# Altium PCB waffling80-MXHS.PcbDoc (part 2 of 4)
Units mm, origin at the board's own origin, x right, y up, seen from the top; angles counter-clockwise.
Board outline 343.71 x 124.25 mm, 2 copper layers (Component Side, Bottom Layer), stack 1.171 mm thick; 236 components, 142 nets, 2180 pads, 184 vias.
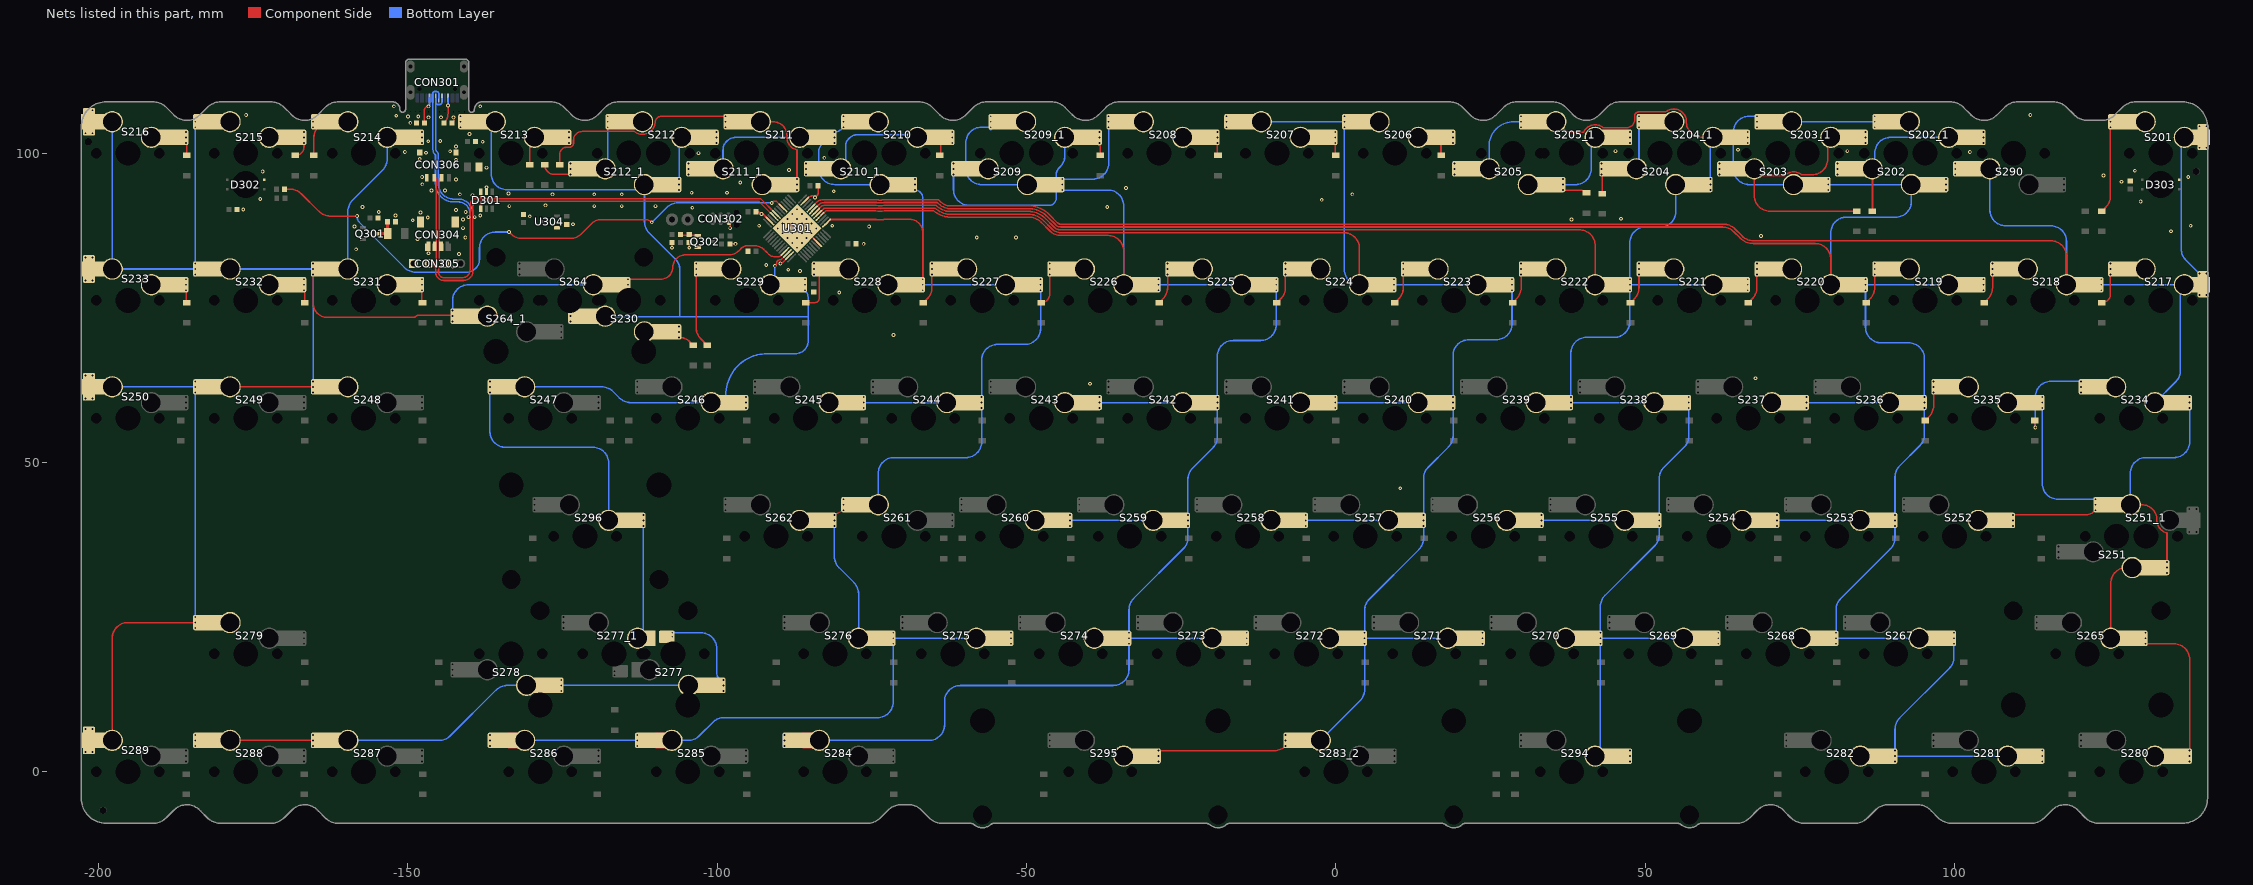
[diagram p2: the nets of this part, all layers, seen from the top]

## Via types
v1: diameter 0.6, hole 0.3, Component Side to Bottom Layer, tented both sides, 158 vias
v2: diameter 0.6, hole 0.3, Component Side to Bottom Layer, tented bottom, 25 vias
v3: diameter 1, hole 0.5, Component Side to Bottom Layer, tented both sides, 1 vias

## Nets (pads, with @x,y where several pads share a name; then routed paths per layer and width w, separated by ;. In a path a pad name is that pad's centre, name@x,y a point inside that pad or via, vN(x,y) a via of type N, cw(c..) or ccw(c..) an arc to the next point about the centre after c; other vN are vias at no path point) (continued)
col1: S201.2 S217.2 S218.1 S234.1 S235.1 S251.2 S251_1.1 S252.1 S265.2 S280.1 S290.1 U301.20 | length 427.8
  Component Side w0.254: U301.20@-84.638,91.349 -83.949,92.038 cw(c-82.879,90.968) -82.879,92.481 -74.182,92.481 ccw(c-73.66,94.932) -73.139,92.481 -64.237,92.481 ccw(c-61.976,94.361) -62.758,91.527 ccw(c-62.516,92.402) -62.756,91.526 ; -62.753,91.526 ccw(c-62.635,91.964) -62.751,91.525 ccw(c-62.516,92.402) -62.518,91.494 ccw(c-62.516,92.402) -62.514,91.494 -49.687,91.494 cw(c-49.687,86.781) -46.305,90.064 -44.977,88.736 cw(c-45.936,87.769) -44.974,88.733 ; -44.972,88.731 ccw(c-44.46,89.243) -44.463,88.519 62.702,88.519 cw(c62.702,85.979) 64.498,87.775 65.677,86.596 ccw(c67.473,88.392) 67.473,85.852 115.57,85.852 cw(c115.57,83.312) 118.11,83.312 S218.1@118.11,78.739 ; S252.1@109.432,41.528 121.004,41.528 ccw(c121.004,44.068) 122.8,42.272 S251_1.1@122.819,42.29 ; S265.2@125.254,21.589 125.254,30.479 cw(c127.794,30.479) 127.794,33.019 S251.2@128.746,33.019 ; S251_1.1@128.429,43.179 130.264,43.179 cw(c130.264,40.715) 132.728,40.715 ccw(c134.779,40.639) 132.738,40.42 ccw(c134.779,40.639) 133.157,39.382 ccw(c134.779,40.639) 133.341,39.175 ccw(c134.779,40.639) 133.642,38.931 ccw(c134.779,40.639) 134.356,38.631 S251.2@134.356,33.908 ; S265.2@130.864,20.7 135.467,20.7 cw(c135.467,18.16) 138.007,18.16 S280.1@138.007,3.428
  Bottom Layer w0.254: S290.1@105.728,97.472 105.728,90.805 ccw(c108.268,90.805) 108.268,88.265 115.57,88.265 cw(c115.57,85.725) 118.11,85.725 S218.1@118.11,78.739 ; S235.1@114.195,58.8 114.195,46.608 ccw(c116.735,46.608) 116.735,44.068 S251_1.1@122.819,44.068 ; S218.1@123.72,78.739 S217.2@137.16,78.739 ccw(c138.692,77.207) 136.525,77.207 136.525,64.869 cw(c133.985,64.869) 135.781,63.073 S234.1@132.397,59.689 ; S251_1.1@128.429,43.179 128.429,48.26 cw(c130.969,48.26) 130.969,50.8 135.467,50.8 ccw(c135.467,53.34) 138.007,53.34 S234.1@138.007,58.8 ; S201.2@137.16,102.552 ccw(c138.386,101.326) 136.652,101.326 136.652,84.533 ccw(c139.192,84.533) 137.396,82.737 S217.2@139.584,80.549
  Bottom Layer w0.6: S290.1@100.118,96.583 S290.1@100.118,97.472 S290.1@100.118,98.361 ; S252.1@109.432,39.75 S252.1@109.432,40.639 S252.1@109.432,41.528 ; S235.1@114.195,58.8 S235.1@114.195,59.689 S235.1@114.195,60.578 ; S251_1.1@122.819,42.29 S251_1.1@122.819,43.179 S251_1.1@122.819,44.068 ; S218.1@123.72,77.85 S218.1@123.72,78.739 S218.1@123.72,79.628 ; S265.2@130.864,20.7 S265.2@130.864,21.589 S265.2@130.864,22.478 ; S251.2@134.356,32.13 S251.2@134.356,33.019 S251.2@134.356,33.908 ; S280.1@138.007,1.65 S280.1@138.007,2.539 S280.1@138.007,3.428 ; S234.1@138.007,58.8 S234.1@138.007,59.689 S234.1@138.007,60.578 ; S217.2@139.584,80.549 S217.2@140.747,80.549 ; S201.2@139.584,104.361 S201.2@140.747,104.361 ; S217.2@139.6,77.057 S217.2@140.762,77.057 ; S201.2@139.6,100.87 S201.2@140.762,100.87
col2: S202.2 S202_1.1 S203.2 S203_1.2 S219.1 S220.1 S236.1 S237.1 S253.1 S254.1 S267.1 S268.1 S281.1 S282.1 U301.19 | length 431.2
  Component Side w0.254: U301.19@-84.285,90.995 -84.272,90.995 -83.843,91.425 -83.822,91.425 -83.579,91.668 cw(c-82.712,90.801) -82.712,92.027 -74.227,92.027 ccw(c-73.66,94.932) -73.094,92.027 -64.44,92.027 ccw(c-61.976,94.361) -62.879,91.089 ccw(c-62.516,92.402) -62.878,91.089 ccw(c-62.516,92.402) -62.874,91.088 ; -62.872,91.088 ccw(c-61.976,94.361) -62.871,91.087 ccw(c-62.753,91.526) -62.869,91.086 ccw(c-62.516,92.402) -62.518,91.04 ccw(c-62.516,92.402) -62.513,91.04 -49.687,91.04 cw(c-49.687,86.781) -46.629,89.745 -45.297,88.414 cw(c-45.936,87.769) -45.295,88.411 ; -45.293,88.41 ccw(c-44.46,89.243) -44.464,88.065 62.514,88.065 cw(c62.514,85.525) 64.31,87.321 65.355,86.276 ccw(c67.473,88.392) 65.357,86.274 ccw(c67.473,88.392) 67.473,85.398 77.47,85.398 cw(c77.47,82.858) 80.01,82.858 S220.1@80.01,78.739
  Bottom Layer w0.254: S203_1.2@68.051,105.981 66.802,105.981 ccw(c66.802,103.441) 64.262,103.441 64.262,97.472 ccw(c66.802,97.472) 66.802,94.932 S203.2@73.978,94.932 ; S254.1@71.332,40.639 S253.1@84.772,40.639 ; S203_1.2@73.661,105.092 S202_1.1@87.101,105.092 ; S237.1@76.095,59.689 S236.1@89.535,59.689 ; S203.2@79.588,94.932 S202.2@93.028,94.932 93.028,92.202 cw(c90.488,92.202) 90.488,89.662 82.55,89.662 ccw(c82.55,87.122) 80.01,87.122 S220.1@80.01,78.739 ; S268.1@80.857,21.589 S267.1@94.297,21.589 ; S268.1@80.857,22.478 80.857,26.211 cw(c83.397,26.211) 81.601,28.007 89.639,36.045 ccw(c87.842,37.841) 90.382,37.841 S253.1@90.382,39.75 ; S220.1@85.62,77.85 85.62,71.882 ccw(c88.16,71.882) 88.16,69.342 92.605,69.342 cw(c92.605,66.802) 95.145,66.802 S236.1@95.145,60.578 ; S220.1@85.62,78.739 S219.1@99.06,78.739 ; S282.1@90.383,2.539 S281.1@108.585,2.539 ; S282.1@90.383,3.428 90.383,6.889 cw(c92.923,6.889) 91.127,8.685 99.164,16.722 ccw(c97.367,18.518) 99.907,18.518 S267.1@99.907,20.7 ; S253.1@90.382,41.528 90.382,47.656 cw(c92.922,47.656) 91.126,49.452 94.401,52.727 ccw(c92.605,54.523) 95.145,54.523 S236.1@95.145,58.8
  Bottom Layer w0.6: S203_1.2@68.051,104.203 S203_1.2@68.051,105.092 S203_1.2@68.051,105.981 ; S254.1@71.332,39.75 S254.1@71.332,40.639 S254.1@71.332,41.528 ; S237.1@76.095,58.8 S237.1@76.095,59.689 S237.1@76.095,60.578 ; S203.2@79.588,94.043 S203.2@79.588,94.932 S203.2@79.588,95.821 ; S268.1@80.857,20.7 S268.1@80.857,21.589 S268.1@80.857,22.478 ; S220.1@85.62,77.85 S220.1@85.62,78.739 S220.1@85.62,79.628 ; S202_1.1@87.101,104.203 S202_1.1@87.101,105.092 S202_1.1@87.101,105.981 ; S282.1@90.383,1.65 S282.1@90.383,2.539 S282.1@90.383,3.428 ; S253.1@90.382,39.75 S253.1@90.382,40.639 S253.1@90.382,41.528 ; S236.1@95.145,58.8 S236.1@95.145,59.689 S236.1@95.145,60.578 ; S202.2@98.638,94.043 S202.2@98.638,94.932 S202.2@98.638,95.821 ; S267.1@99.907,20.7 S267.1@99.907,21.589 S267.1@99.907,22.478 ; S219.1@104.67,77.85 S219.1@104.67,78.739 S219.1@104.67,79.628 ; S281.1@114.195,1.65 S281.1@114.195,2.539 S281.1@114.195,3.428
col3: S204.2 S204_1.2 S205.1 S205_1.1 S221.1 S222.1 S238.1 S239.1 S255.1 S256.1 S269.1 S270.1 S294.1 U301.18 | length 365
  Component Side w0.254: U301.18@-83.931,90.642 -83.242,91.331 cw(c-82.656,90.746) -82.656,91.573 -74.27,91.573 ccw(c-73.66,94.932) -73.051,91.573 -64.629,91.573 ccw(c-61.976,94.361) -63.001,90.652 ccw(c-62.516,92.402) -62.998,90.651 ; -62.997,90.651 ccw(c-62.877,91.089) -62.996,90.651 ccw(c-62.635,91.964) -62.994,90.65 ; -62.991,90.649 ccw(c-62.871,91.087) -62.99,90.649 ; -62.989,90.649 ccw(c-62.871,91.087) -62.986,90.648 ccw(c-62.753,91.526) -62.985,90.648 ccw(c-62.516,92.402) -62.519,90.586 ccw(c-62.516,92.402) -62.513,90.586 -49.687,90.586 cw(c-49.687,86.781) -46.952,89.427 -45.617,88.091 cw(c-45.936,87.769) -45.615,88.09 ccw(c-44.46,89.243) -44.464,87.611 39.37,87.611 cw(c39.37,85.071) 39.543,87.605 cw(c39.37,85.071) 41.904,85.244 cw(c39.37,85.071) 41.91,85.071 S222.1@41.91,78.739 ; S205_1.1@35.56,105.092 36.53,104.122 ccw(c38.326,105.918) 38.326,103.378 40.031,103.378 cw(c41.91,102.552) 43.223,104.129 47.056,104.129 ccw(c47.056,105.372) 48.298,105.372 48.298,106.03 cw(c48.938,106.03) 48.938,106.669 53.298,106.669 cw(c54.611,105.092) 56.651,105.311 cw(c54.611,105.092) 56.656,104.93 ccw(c59.191,105.092) 59.191,102.552 S204_1.2@60.961,102.552
  Bottom Layer w0.254: S205.1@24.765,97.472 24.765,101.122 cw(c28.735,101.122) 28.735,105.092 S205_1.1@29.95,105.092 ; S256.1@33.232,40.639 S255.1@46.672,40.639 ; S239.1@37.995,59.689 S238.1@51.435,59.689 ; S239.1@37.995,60.578 37.995,67.691 cw(c40.535,67.691) 40.535,70.231 44.98,70.231 ccw(c44.98,72.771) 47.52,72.771 S222.1@47.52,77.85 ; S294.1@41.91,2.539 42.757,3.387 S270.1@42.757,20.7 ; S270.1@42.757,21.589 S269.1@56.197,21.589 ; S270.1@42.757,22.478 42.757,26.719 cw(c45.297,26.719) 43.501,28.515 51.539,36.553 ccw(c49.742,38.349) 52.282,38.349 S255.1@52.282,39.75 ; S222.1@47.52,78.739 S221.1@60.96,78.739 ; S222.1@47.52,79.628 47.52,85.525 cw(c50.06,85.525) 50.06,88.065 52.51,88.065 ccw(c52.51,90.483) 54.928,90.483 S204.2@54.928,94.932 ; S255.1@52.282,41.528 52.282,47.42 cw(c54.822,47.42) 53.026,49.216 56.301,52.491 ccw(c54.505,54.287) 57.045,54.287 S238.1@57.045,58.8 ; S204.2@60.538,95.821 60.538,102.13 cw(c60.961,102.13) S204_1.2@60.961,102.552
  Bottom Layer w0.6: S205.1@19.155,96.583 S205.1@19.155,97.472 S205.1@19.155,98.361 ; S205_1.1@29.95,104.203 S205_1.1@29.95,105.092 S205_1.1@29.95,105.981 ; S256.1@33.232,39.75 S256.1@33.232,40.639 S256.1@33.232,41.528 ; S239.1@37.995,58.8 S239.1@37.995,59.689 S239.1@37.995,60.578 ; S270.1@42.757,20.7 S270.1@42.757,21.589 S270.1@42.757,22.478 ; S222.1@47.52,77.85 S222.1@47.52,78.739 S222.1@47.52,79.628 ; S294.1@47.52,1.65 S294.1@47.52,2.539 S294.1@47.52,3.428 ; S255.1@52.282,39.75 S255.1@52.282,40.639 S255.1@52.282,41.528 ; S238.1@57.045,58.8 S238.1@57.045,59.689 S238.1@57.045,60.578 ; S204.2@60.538,94.043 S204.2@60.538,94.932 S204.2@60.538,95.821 ; S269.1@61.807,20.7 S269.1@61.807,21.589 S269.1@61.807,22.478 ; S221.1@66.57,77.85 S221.1@66.57,78.739 S221.1@66.57,79.628 ; S204_1.2@66.57,101.663 S204_1.2@66.57,102.552 S204_1.2@66.57,103.441
col4: S206.1 S207.1 S223.1 S224.1 S240.1 S241.1 S257.1 S258.1 S271.1 S272.1 S283_2.2 S295.2 U301.17 | length 315.6
  Component Side w0.254: U301.17@-83.577,90.288 -83.565,90.288 -83.135,90.718 -83.115,90.718 -82.872,90.961 cw(c-82.49,90.579) -82.49,91.119 -74.309,91.119 ccw(c-73.66,94.932) -73.012,91.119 -64.804,91.119 ccw(c-61.976,94.361) -63.124,90.215 ccw(c-62.516,92.402) -63.123,90.215 ccw(c-63,90.652) -63.12,90.214 ccw(c-62.877,91.089) -63.118,90.213 ccw(c-62.754,91.526) -63.116,90.213 ; -63.113,90.212 ccw(c-62.753,91.526) -63.111,90.211 ; -63.109,90.211 ccw(c-62.871,91.087) -63.108,90.211 ccw(c-61.976,94.361) -63.106,90.21 ccw(c-62.989,90.649) -63.103,90.209 ; -63.102,90.209 ccw(c-62.516,92.402) -62.519,90.132 ccw(c-62.516,92.402) -62.512,90.132 -49.687,90.132 cw(c-49.687,86.781) -47.276,89.109 -45.937,87.769 ; -45.936,87.769 ccw(c-44.46,89.243) -44.46,87.157 -44.117,87.157 1.27,87.157 cw(c1.27,84.617) 3.81,84.617 S224.1@3.81,78.739 ; S295.2@-28.68,3.428 -9.932,3.428 ccw(c-9.932,5.968) -8.136,4.172 S283_2.2@-8.118,4.19
  Bottom Layer w0.254: S207.1@-12.065,105.092 S206.1@1.375,105.092 ; S258.1@-4.868,40.639 S257.1@8.572,40.639 ; S283_2.2@-2.508,5.079 3.914,11.501 ccw(c2.117,13.297) 4.657,13.297 S272.1@4.657,20.7 ; S241.1@-0.105,59.689 S240.1@13.335,59.689 ; S206.1@1.375,104.203 1.375,81.174 ccw(c3.81,81.174) S224.1@3.81,78.739 ; S272.1@4.657,21.589 S271.1@18.098,21.589 ; S272.1@4.657,22.478 4.657,26.114 cw(c7.197,26.114) 5.401,27.91 13.439,35.947 ccw(c11.642,37.743) 14.182,37.743 S257.1@14.182,39.75 ; S224.1@9.42,78.739 S223.1@22.86,78.739 ; S257.1@14.182,41.528 14.182,47.436 cw(c16.722,47.436) 14.926,49.232 18.201,52.507 ccw(c16.405,54.303) 18.945,54.303 S240.1@18.945,58.8 ; S240.1@18.945,60.578 18.945,67.31 cw(c21.485,67.31) 21.485,69.85 25.93,69.85 ccw(c25.93,72.39) 28.47,72.39 S223.1@28.47,77.85
  Bottom Layer w0.6: S295.2@-28.68,1.65 S295.2@-28.68,2.539 S295.2@-28.68,3.428 ; S207.1@-17.675,104.203 S207.1@-17.675,105.092 S207.1@-17.675,105.981 ; S283_2.2@-8.118,4.19 S283_2.2@-8.118,5.079 S283_2.2@-8.118,5.968 ; S258.1@-4.868,39.75 S258.1@-4.868,40.639 S258.1@-4.868,41.528 ; S241.1@-0.105,58.8 S241.1@-0.105,59.689 S241.1@-0.105,60.578 ; S206.1@1.375,104.203 S206.1@1.375,105.092 S206.1@1.375,105.981 ; S272.1@4.657,20.7 S272.1@4.657,21.589 S272.1@4.657,22.478 ; S224.1@9.42,77.85 S224.1@9.42,78.739 S224.1@9.42,79.628 ; S257.1@14.182,39.75 S257.1@14.182,40.639 S257.1@14.182,41.528 ; S240.1@18.945,58.8 S240.1@18.945,59.689 S240.1@18.945,60.578 ; S271.1@23.707,20.7 S271.1@23.707,21.589 S271.1@23.707,22.478 ; S223.1@28.47,77.85 S223.1@28.47,78.739 S223.1@28.47,79.628
col5: S208.1 S209.2 S209_1.2 S225.1 S226.1 S242.1 S243.1 S259.1 S260.1 S273.1 S274.1 S284.2 U301.16 | length 321.9
  Component Side w0.254: U301.16@-83.224,89.934 -83.211,89.934 -82.782,90.364 -82.762,90.364 -82.46,90.665 -77.494,90.665 ; -77.493,90.665 -74.346,90.665 ccw(c-73.66,94.932) -72.975,90.665 -64.97,90.665 ccw(c-61.976,94.361) -63.246,89.778 ; -63.244,89.777 ccw(c-62.877,91.089) -63.241,89.776 ; -63.239,89.776 ccw(c-62.754,91.526) -63.238,89.775 ccw(c-63.116,90.213) -63.236,89.775 ; -63.235,89.775 ccw(c-62.754,91.526) -63.234,89.774 ; -63.232,89.774 ccw(c-62.753,91.526) -63.231,89.773 ccw(c-62.871,91.087) -63.229,89.773 ; -63.227,89.772 ccw(c-61.976,94.361) -63.225,89.772 ; -63.223,89.771 ccw(c-63.106,90.21) -63.22,89.771 ccw(c-62.989,90.649) -63.218,89.77 ccw(c-62.516,92.402) -62.519,89.678 ccw(c-62.516,92.402) -62.512,89.678 -49.687,89.678 cw(c-49.687,86.781) -47.677,88.868 cw(c-49.687,86.781) -47.6,88.791 -46.256,87.447 ccw(c-44.46,89.243) -44.46,86.703 -44.004,86.703 -36.83,86.703 cw(c-36.83,84.163) -34.29,84.163 S226.1@-34.29,78.739
  Component Side w2.54: S284.2@-85.884,5.08 S284.2@-83.503,5.079
  Bottom Layer w0.254: S284.2@-83.503,5.079 -65.786,5.079 ccw(c-65.786,7.619) -63.246,7.619 -63.246,11.421 cw(c-60.706,11.421) -60.706,13.961 -35.982,13.961 ccw(c-35.982,16.501) -33.442,16.501 S274.1@-33.442,20.7 ; S209_1.2@-55.775,104.203 -57.277,104.203 ccw(c-57.277,101.663) -59.817,101.663 -59.817,97.472 ccw(c-57.277,97.472) -57.277,94.932 S209.2@-49.848,94.932 ; S209.2@-44.238,94.043 -36.83,94.043 cw(c-36.83,91.503) -34.29,91.503 S226.1@-34.29,78.739 ; S209.2@-44.238,95.821 -39.265,95.821 ccw(c-39.265,98.361) -36.725,98.361 S208.1@-36.725,104.203 ; S260.1@-42.968,40.639 S259.1@-29.527,40.639 ; S243.1@-38.205,59.689 S242.1@-24.765,59.689 ; S274.1@-33.442,21.589 S273.1@-20.002,21.589 ; S274.1@-33.442,22.478 -33.442,26.212 cw(c-30.902,26.212) -32.698,28.008 -24.661,36.045 ccw(c-26.458,37.841) -23.918,37.841 S259.1@-23.918,39.75 ; S226.1@-28.68,78.739 S225.1@-15.24,78.739 ; S259.1@-23.918,41.528 -23.918,47.293 cw(c-21.378,47.293) -23.174,49.089 -19.899,52.364 ccw(c-21.695,54.16) -19.155,54.16 S242.1@-19.155,58.8 ; S242.1@-19.155,60.578 -19.155,67.183 cw(c-16.615,67.183) -16.615,69.723 -12.17,69.723 ccw(c-12.17,72.263) -9.63,72.263 S225.1@-9.63,77.85
  Bottom Layer w0.6: S284.2@-89.113,4.19 S284.2@-89.113,5.079 S284.2@-89.113,5.968 ; S209_1.2@-55.775,104.004 S209_1.2@-55.775,105.782 ; S209.2@-44.238,94.043 S209.2@-44.238,94.932 S209.2@-44.238,95.821 ; S260.1@-42.968,39.75 S260.1@-42.968,40.639 S260.1@-42.968,41.528 ; S243.1@-38.205,58.8 S243.1@-38.205,59.689 S243.1@-38.205,60.578 ; S208.1@-36.725,104.203 S208.1@-36.725,105.092 S208.1@-36.725,105.981 ; S274.1@-33.442,20.7 S274.1@-33.442,21.589 S274.1@-33.442,22.478 ; S226.1@-28.68,77.85 S226.1@-28.68,78.739 S226.1@-28.68,79.628 ; S259.1@-23.918,39.75 S259.1@-23.918,40.639 S259.1@-23.918,41.528 ; S242.1@-19.155,58.8 S242.1@-19.155,59.689 S242.1@-19.155,60.578 ; S273.1@-14.393,20.7 S273.1@-14.393,21.589 S273.1@-14.393,22.478 ; S225.1@-9.63,77.85 S225.1@-9.63,78.739 S225.1@-9.63,79.628
col6: S210.1 S210_1.2 S211.2 S211_1.2 S227.1 S228.1 S244.1 S245.1 S261.1 S262.1 S275.1 S276.1 S285.2 S286.2 U301.13 | length 288.7
  Component Side w0.254: U301.13@-82.163,88.874 -81.756,89.281 -74.267,89.281 ccw(c-73.66,94.932) -73.054,89.281 ccw(c-73.66,94.932) -72.873,89.303 -68.866,89.303 cw(c-68.866,87.217) -66.923,87.976 cw(c-68.866,87.217) -66.78,87.217 S228.1@-66.78,79.628 ; S262.1@-81.068,41.528 -79.65,42.242 -79.594,42.297 S261.1@-78.688,43.179
  Component Side w2.54: S286.2@-133.509,5.08 S286.2@-131.128,5.079 ; S285.2@-109.696,5.08 S285.2@-107.315,5.079
  Bottom Layer w0.254: S286.2@-131.128,5.079 S285.2@-112.925,5.079 ; S285.2@-107.315,5.079 -104.692,5.079 ccw(c-104.692,7.619) -102.896,5.823 -100.7,8.019 cw(c-98.904,6.223) -98.904,8.763 -74.083,8.763 ccw(c-74.083,11.303) -71.543,11.303 S276.1@-71.543,20.7 ; S211_1.2@-99.06,97.472 -99.06,100.502 cw(c-97.01,100.502) -97.01,102.552 S211.2@-86.677,102.552 ; S262.1@-81.068,39.75 -81.068,34.811 ccw(c-78.528,34.811) -80.324,33.015 -77.896,30.587 cw(c-79.692,28.791) -77.153,28.791 S276.1@-77.153,21.589 ; S211.2@-81.068,101.663 -82.317,101.663 ccw(c-82.317,100.414) -83.566,100.414 -83.566,97.472 ccw(c-81.026,97.472) -81.026,94.932 S210_1.2@-73.66,94.932 ; S211.2@-81.068,103.441 ccw(c-81.068,105.174) -79.842,103.949 S210.1@-79.587,104.203 ; S245.1@-76.305,59.689 S244.1@-62.865,59.689 ; S261.1@-73.977,43.179 -73.977,48.26 cw(c-71.438,48.26) -71.438,50.8 -59.795,50.8 ccw(c-59.795,53.34) -57.255,53.34 S244.1@-57.255,58.8 ; S276.1@-71.543,21.589 S275.1@-58.102,21.589 ; S210_1.2@-68.05,94.043 cw(c-68.05,92.773) -66.78,92.773 S228.1@-66.78,79.628 ; S228.1@-66.78,78.739 S227.1@-53.34,78.739 ; S244.1@-57.255,60.578 -57.255,66.548 cw(c-54.715,66.548) -57.023,67.609 cw(c-54.715,66.548) -56.664,68.177 cw(c-54.715,66.548) -56.344,68.497 cw(c-54.715,66.548) -54.715,69.088 -50.27,69.088 ccw(c-50.27,71.628) -47.73,71.628 S227.1@-47.73,77.85
  Bottom Layer w0.6: S286.2@-136.738,4.19 S286.2@-136.738,5.079 S286.2@-136.738,5.968 ; S285.2@-112.925,4.19 S285.2@-112.925,5.079 S285.2@-112.925,5.968 ; S211_1.2@-104.67,96.583 S211_1.2@-104.67,97.472 S211_1.2@-104.67,98.361 ; S262.1@-81.068,39.75 S262.1@-81.068,40.639 S262.1@-81.068,41.528 ; S211.2@-81.068,101.663 S211.2@-81.068,102.552 S211.2@-81.068,103.441 ; S261.1@-79.587,42.29 S261.1@-79.587,43.179 S261.1@-79.587,44.068 ; S210.1@-79.587,104.203 S210.1@-79.587,105.092 S210.1@-79.587,105.981 ; S245.1@-76.305,58.8 S245.1@-76.305,59.689 S245.1@-76.305,60.578 ; S276.1@-71.543,20.7 S276.1@-71.543,21.589 S276.1@-71.543,22.478 ; S210_1.2@-68.05,94.043 S210_1.2@-68.05,94.932 S210_1.2@-68.05,95.821 ; S228.1@-66.78,77.85 S228.1@-66.78,78.739 S228.1@-66.78,79.628 ; S244.1@-57.255,58.8 S244.1@-57.255,59.689 S244.1@-57.255,60.578 ; S275.1@-52.493,20.7 S275.1@-52.493,21.589 S275.1@-52.493,22.478 ; S227.1@-47.73,77.85 S227.1@-47.73,78.739 S227.1@-47.73,79.628
col7: S212.2 S212_1.2 S213.1 S229.1 S230.1 S246.1 S247.1 S277.1 S277_1.2 S278.1 S287.1 S288.1 S296.1 U301.46 | length 324.3
  Component Side w0.254: S288.1@-178.752,5.079 S287.1@-165.312,5.079 ; v1(-90.678,81.788) -90.406,82.06 cw(c-89.789,82.169) -90.233,82.612 cw(c-89.789,82.169) -90.232,82.613 cw(c-89.789,82.169) -89.68,82.786 -89.56,82.906 cw(c-89.535,82.881) -89.535,82.916 U301.46@-88.845,83.606
  Bottom Layer w0.254: S287.1@-159.702,5.079 -144.944,5.079 ccw(c-144.944,7.619) -143.148,5.823 -135.745,13.226 cw(c-133.949,11.429) -133.949,13.969 S278.1@-130.81,13.969 ; S247.1@-136.738,61.34 -136.738,54.991 ccw(c-134.198,54.991) -134.198,52.451 -120.091,52.451 cw(c-120.091,49.911) -117.551,49.911 S296.1@-117.551,40.639 ; S213.1@-135.89,105.092 ccw(c-135.89,104.457) -136.525,104.457 -136.525,96.638 ccw(c-133.985,96.638) -133.985,94.098 -133.774,94.098 cw(c-133.731,93.472) -133.731,94.099 cw(c-133.731,93.472) -133.688,94.098 -127.805,94.098 cw(c-127.762,93.472) -127.762,94.099 cw(c-127.762,93.472) -127.719,94.098 -112.595,94.098 ccw(c-112.595,94.932) S212_1.2@-111.76,94.932 -111.76,88.937 ccw(c-109.22,88.937) -111.017,87.141 -106.791,82.915 cw(c-108.587,81.119) -106.097,81.618 cw(c-108.587,81.119) -106.047,81.119 -106.047,73.533 ; S247.1@-131.128,62.229 -118.654,62.229 cw(c-118.654,59.689) -116.858,61.486 -115.805,60.433 ccw(c-114.009,62.229) -114.009,59.689 S246.1@-100.985,59.689 ; S278.1@-125.2,13.969 S277.1@-104.616,13.969 ; S230.1@-118.11,73.659 -118.11,73.533 -106.047,73.533 ; S277_1.2@-112.872,21.59 ccw(c-112.871,22.52) -111.941,22.52 -111.941,39.716 S296.1@-111.941,39.75 ; S277_1.2@-107.262,22.479 -102.616,22.478 cw(c-102.616,19.938) -101.868,22.366 cw(c-102.616,19.938) -100.189,20.687 cw(c-102.616,19.938) -100.076,19.938 -100.076,15.928 ccw(c-99.006,15.928) S277.1@-99.006,14.858 ; S212_1.2@-106.15,95.821 -106.15,102.552 S212.2@-105.727,102.552 ; S229.1@-91.44,78.739 -90.678,79.502 v1(-90.678,81.788) ; S229.1@-85.83,77.85 cw(c-87.134,76.547) -85.29,76.547 -85.29,73.533 ; -106.047,73.533 -85.29,73.533 ; S246.1@-100.985,59.689 cw(c-100.966,59.31) S246.1@-100.965,59.689 ; S246.1@-100.985,59.689 S246.1@-100.965,59.689 ; S246.1@-100.965,59.689 -99.567,59.69 ccw(c-99.567,60.632) -98.625,60.632 -98.625,60.911 cw(c-91.953,60.911) -96.568,65.729 ccw(c-96.745,65.912) -96.557,65.741 cw(c-95.883,65.132) -96.525,65.774 cw(c-95.704,64.952) -96.423,65.865 ccw(c-96.581,66.064) -96.412,65.874 cw(c-91.953,60.911) -95.453,66.591 cw(c-95.217,66.204) -95.444,66.596 ccw(c-95.573,66.815) -95.436,66.602 cw(c-95.189,66.22) -95.427,66.607 cw(c-91.953,60.911) -93.77,67.331 ccw(c-93.841,67.575) -93.749,67.338 cw(c-93.325,66.256) -93.506,67.404 cw(c-93.363,66.507) -93.476,67.408 ccw(c-93.509,67.66) -93.453,67.412 cw(c-91.953,60.911) -92.402,67.568 ccw(c-92.421,67.821) -92.392,67.569 -92.34,67.575 cw(c-92.203,66.421) -92.205,67.583 cw(c-92.203,66.421) -92.204,67.583 -87.377,67.583 ccw(c-87.377,69.669) -85.876,68.22 ccw(c-87.377,69.669) -85.29,69.669 -85.29,73.533
  Bottom Layer w0.6: S288.1@-184.362,4.19 S288.1@-184.362,5.079 S288.1@-184.362,5.968 ; S287.1@-165.312,4.19 S287.1@-165.312,5.079 S287.1@-165.312,5.968 ; S213.1@-141.5,104.203 S213.1@-141.5,105.092 S213.1@-141.5,105.981 ; S247.1@-136.738,61.34 S247.1@-136.738,62.229 S247.1@-136.738,63.118 ; S278.1@-125.2,13.08 S278.1@-125.2,13.969 S278.1@-125.2,14.858 ; S230.1@-123.72,72.77 S230.1@-123.72,73.659 ; S296.1@-111.941,39.75 S296.1@-111.941,40.639 S296.1@-111.941,41.494 ; S277_1.2@-107.262,21.845 S277_1.2@-107.262,22.479 ; S212_1.2@-106.15,94.043 S212_1.2@-106.15,94.932 S212_1.2@-106.15,95.821 ; S212.2@-100.118,101.663 S212.2@-100.118,102.552 S212.2@-100.118,103.441 ; S277.1@-99.006,13.08 S277.1@-99.006,13.969 S277.1@-99.006,14.858 ; S246.1@-95.355,58.8 S246.1@-95.355,59.689 S246.1@-95.355,60.578 ; S229.1@-85.83,77.85 S229.1@-85.83,78.739 S229.1@-85.83,79.628
col8: S214.1 S215.1 S216.1 S231.1 S232.1 S233.1 S248.1 S249.1 S250.1 S264.1 S264_1.1 S279.1 S289.1 U301.45 | length 314
  Component Side w0.254: S289.1@-197.802,5.079 -197.802,21.589 cw(c-195.262,21.589) -195.262,24.129 S279.1@-184.362,24.129 ; S249.1@-178.752,62.229 S248.1@-165.312,62.229 ; S231.1@-165.312,80.39 -165.312,75.777 ccw(c-162.941,75.777) -163.501,73.473 -148.884,73.473 cw(c-148.248,73.02) -148.248,73.801 -147.641,73.801 cw(c-147.637,73.347) -147.637,73.801 -142.912,73.801 cw(c-142.912,73.659) S264_1.1@-142.77,73.659 ; S264.1@-114.405,79.628 -109.094,79.628 ccw(c-109.094,81.534) -107.188,81.534 cw(c-105.165,81.534) -105.165,83.557 -98.21,83.557 ccw(c-98.21,86.097) -96.414,84.3 -96.017,84.697 ; -96.017,84.697 cw(c-95.244,83.924) -95.244,85.017 -93.818,85.017 cw(c-93.818,83.102) -92.464,84.456 ccw(c-92.128,84.762) -92.434,84.426 -92.06,84.052 -91.699,83.691 ccw(c-90.669,84.718) -91.696,83.688 ccw(c-90.669,84.718) -90.669,83.264 -90.169,83.264 ccw(c-90.169,83.896) -89.722,83.449 -89.211,83.959 U301.45@-89.199,83.959
  Bottom Layer w0.254: S250.1@-197.802,62.229 S249.1@-184.362,62.229 ; S216.1@-197.802,105.092 S233.1@-197.802,81.279 S232.1@-184.362,81.279 ; S279.1@-184.362,25.018 S249.1@-184.362,61.34 ; S232.1@-184.362,82.168 S215.1@-184.362,104.203 ; S232.1@-178.752,81.279 S231.1@-165.312,81.279 ; S248.1@-165.312,63.118 S231.1@-165.312,80.39 ; S231.1@-159.702,81.279 -159.702,90.578 cw(c-157.162,90.578) -158.959,92.374 -154.096,97.237 ccw(c-155.892,99.033) -153.352,99.033 S214.1@-153.352,102.552 ; S264_1.1@-142.77,74.548 -142.77,76.199 cw(c-140.23,76.199) -140.23,78.739 S264.1@-120.015,78.739
  Bottom Layer w0.6: S289.1@-202.142,3.22 S289.1@-200.963,3.22 ; S289.1@-202.142,6.939 S289.1@-200.963,6.939 ; S250.1@-202.142,60.37 S250.1@-200.963,60.37 ; S250.1@-202.142,64.089 S250.1@-200.963,64.089 ; S233.1@-202.142,79.42 S233.1@-200.963,79.42 ; S233.1@-202.142,83.139 S233.1@-200.963,83.139 ; S216.1@-202.142,103.232 S216.1@-200.963,103.232 ; S279.1@-184.362,23.24 S279.1@-184.362,24.129 S279.1@-184.362,25.018 ; S249.1@-184.362,61.34 S249.1@-184.362,62.229 S249.1@-184.362,63.118 ; S232.1@-184.362,80.39 S232.1@-184.362,81.279 S232.1@-184.362,82.168 ; S215.1@-184.362,104.203 S215.1@-184.362,105.092 ; S248.1@-165.312,61.34 S248.1@-165.312,62.229 S248.1@-165.312,63.118 ; S231.1@-165.312,80.39 S231.1@-165.312,81.279 S231.1@-165.312,82.168 ; S214.1@-147.743,101.663 S214.1@-147.743,102.552 S214.1@-147.743,103.441 ; S264_1.1@-142.77,72.77 S264_1.1@-142.77,73.659 S264_1.1@-142.77,74.548 ; S264.1@-114.405,78.739 S264.1@-114.405,79.628
D_N: CON301.A7 CON301.B7 CON304.2 CON305.2 CON306.2 D301.3 U301.32 | length 111.9
  Component Side w0.254: CON304.2@-144.661,84.979 -144.661,84.677 CON304.2@-144.932,84.406 ; CON306.2@-144.561,96.05 ccw(c-144.561,95.679) -144.932,95.679 CON304.2@-144.932,84.406 ; D301.3@-138.237,93.78 -138.237,92.66 ; U301.32@-90.613,90.288 -92.985,92.66 -138.237,92.66 ; CON304.2@-144.932,84.406 -144.932,82.804 ccw(c-144.297,82.804) -144.297,82.169 CON305.2@-144.018,82.169 ccw(c-144.018,81.128) -145.059,81.128 -145.059,80.772 ccw(c-144.17,80.772) -144.17,79.883 -141.201,79.883 ccw(c-141.201,81.13) -140.44,80.142 ccw(c-141.201,81.13) -139.954,81.13 -139.954,91.599 cw(c-138.892,91.599) -139.944,91.742 cw(c-138.892,91.599) -139.036,92.65 cw(c-138.892,91.599) -138.892,92.66 -138.237,92.66
  Bottom Layer w0.254: CON301.A7@-145.007,108.92 -145.03,109.518 -145.03,109.645 ccw(c-145.357,109.645) -145.125,109.876 ccw(c-145.357,109.645) -145.126,109.877 ccw(c-145.357,109.645) -145.357,109.972 -145.657,109.972 ccw(c-145.657,109.645) -145.887,109.877 ccw(c-145.657,109.645) -145.889,109.876 ccw(c-145.657,109.645) -145.984,109.645 -145.984,109.518 CON301.B7@-146.007,108.92 cw(c-146.058,108.869) -145.985,108.869 -145.985,100.78 ccw(c-144.474,100.78) -145.684,99.875 ccw(c-144.474,100.78) -145.543,99.711 -145.543,97.138 -145.542,95.084 ccw(c-142.584,95.084) -142.584,92.126 -141.887,92.126 cw(c-141.887,90.193) -139.954,90.193 v1@-139.954,89.662
  other v1: -140.208,89.662
D_P: CON301.A6 CON301.B6 CON304.3 CON305.3 CON306.3 D301.4 U301.33 | length 111.6
  Component Side w0.254: CON306.3@-145.761,96.05 cw(c-145.761,95.679) -145.39,95.679 CON304.3@-145.39,84.708 ; CON304.3@-145.661,84.8 CON304.3@-145.661,84.979 cw(c-145.661,84.708) CON304.3@-145.39,84.708 ; D301.4@-138.237,91.03 -138.237,92.203 ; U301.33@-90.967,89.934 -93.235,92.203 -138.237,92.203 ; CON304.3@-145.39,84.708 -145.39,82.804 cw(c-146.025,82.804) -146.025,82.169 CON305.3@-146.558,82.169 cw(c-146.558,81.128) -145.517,81.128 -145.517,80.772 ccw(c-144.17,80.772) -144.17,79.426 -141.011,79.426 ccw(c-141.011,80.94) -140.123,79.714 ccw(c-141.011,80.94) -139.497,80.94 -139.497,91.354 cw(c-138.648,91.354) -139.468,91.572 cw(c-138.648,91.354) -138.865,92.175 cw(c-138.648,91.354) -138.648,92.203 -138.237,92.203
  Bottom Layer w0.254: CON301.A6@-145.528,108.869 -145.528,100.783 ccw(c-144.708,100.783) -145.288,100.203 -145.287,100.202 cw(c-145.774,99.714) -145.085,99.714 -145.085,95.084 ccw(c-142.584,95.084) -142.584,92.583 -141.887,92.583 cw(c-141.887,90.193) -139.497,90.193 -139.497,89.662 ; CON301.A6@-145.484,108.195 ccw(c-145.157,108.195) -145.389,107.965 ccw(c-145.157,108.195) -145.387,107.963 ccw(c-145.157,108.195) -145.157,107.868 -144.857,107.868 ccw(c-144.857,108.195) -144.626,107.963 ccw(c-144.857,108.195) -144.625,107.965 ccw(c-144.857,108.195) -144.53,108.195 CON301.B6@-144.53,108.897
  other v1: -139.192,89.662
GND: C301.1 C302.1 C303.1 C304.1 C305.1 C306.1 C307.1 C308.1 C310.2 C311.1 C312.1 C313.1 CON302.5 CON304.4 CON304.5 CON305.4 CON306.4 CON306.5 D301.2 D302.3 D303.3 L301.1 Q302.2 R301.2 R302.2 R304.2 R305.2 R307.2 U301.8 U301.23 U301.35 U301.47 U304.1 | length 24.8
  Component Side w0.254: R302.2@-142.86,104.868 -142.621,105.107 v1(-142.621,105.791) ; v1(-107.315,84.709) R304.2@-107.315,85.583 ; R305.2@-104.536,85.583 -104.521,85.569 v1(-104.521,84.709) ; CON302.5@-98.091,88.773 cw(c-98.091,88.599) -97.917,88.599 v1(-97.917,87.884) ; C310.2@-97.917,85.329 -97.902,85.344 v1(-97.028,85.344) ; C305.1@-93.711,90.551 cw(c-93.711,89.361) -92.869,90.202 v1(-92.837,90.17) ; v1@-92.727,90.28 U301.35@-91.674,89.227 ; v1(-89.789,82.169) -89.575,82.169 U301.47@-88.492,83.252 ; v2(-87.095,87.831) -86.035,87.831 U301.47@-85.787,87.583 ; U301.23@-85.699,92.409 -85.317,92.791 cw(c-84.593,92.068) -84.593,93.091 -84.076,93.091 ccw(c-84.076,93.466) -83.701,93.466 -83.701,94.719 C308.1@-83.678,94.742 ; U301.47@-85.009,86.805 U301.8@-83.577,85.374
  Bottom Layer w0.203: v2(-87.873,90.164) v2(-87.095,89.386) v2(-85.54,87.831) v2(-84.762,87.053) ; v2(-87.095,90.942) v2(-85.54,89.386) v2(-83.984,87.831)
  other v1: 10.414,45.847 -39.751,62.738 67.818,63.627 -71.501,70.612 -80.264,77.47 -86.627,80.946 -88.519,81.153 -142.748,81.661 -92.075,81.915 -141.732,83.693 -146.685,83.82 -158.369,84.455 -76.327,85.344 -148.463,86.106 -140.716,86.36 -58.039,86.36 -51.689,86.36 68.707,86.614 135.001,87.376 -141.097,87.884 -158.623,88.138 -75.438,88.138 -93.218,88.265 -81.407,88.265 138.176,88.265 -123.317,88.519 -149.225,89.154 -141.097,89.281 38.1,89.281 46.101,89.408 -146.803,89.616 -130.302,89.789 -152.019,89.916 -138.303,89.916 -147.955,90.424 -154.711,90.487 -140.666,90.487 -142.24,90.805 -176.612,90.912 -104.013,91.186 -157.353,91.313 -36.957,91.313 -133.604,91.44 -119.888,91.44 -115.443,91.44 -109.982,91.44 -127.762,91.567 130.091,92.203 -2.286,92.456 -173.863,92.583 -84.201,92.837 -139.573,93.218 -141.605,93.345 -126.619,93.345 -119.888,93.345 -115.443,93.345 2.667,93.345 -133.731,93.472 -104.14,93.599 -98.425,93.599 -81.153,93.853 -146.177,93.98 -144.018,93.98 -33.909,94.361 -137.287,94.505 -147.659,94.968 -96.266,95.25 127,95.377 -142.235,95.735 -147.701,96.139 137.795,96.139 124.079,96.393 -173.482,97.028 129.159,97.155 -88.392,97.282 -137.287,97.663 -142.24,98.933 -148.082,99.06 -82.681,99.25 -103.028,100.013 -147.066,100.076 -150.495,100.203 102.489,100.203 -143.173,100.307 45.212,100.33 82.677,100.33 64.992,100.548 -142.24,101.092 -137.922,101.854 -146.7,101.922 -144.78,101.981 -140.038,103.101 -149.606,104.902 -146.685,105.791 -144.653,105.791 -149.987,105.918 -148.333,105.921 -151.892,106.045 -176.149,106.172 112.268,106.172 -152.273,107.569 -138.303,107.569
  other v2: -87.095,84.719 -87.873,85.497 -86.317,85.497 -88.651,86.275 -87.095,86.275 -85.54,86.275 -89.429,87.053 -87.873,87.053 -86.317,87.053 -90.206,87.831 -88.651,87.831 -89.429,88.609 -87.873,88.609 -86.317,88.609 -84.762,88.609 -88.651,89.386 -86.317,90.164
LED: R308.2 U301.29 | length 93.7
  Component Side w0.254: R308.2@-169.911,94.182 -169.021,94.182 cw(c-169.021,91.642) -168.4,94.105 ; -168.477,94.182 -168.4,94.105 ; v1(-158.206,89.833) -162.568,89.833 cw(c-162.568,92.373) -164.364,90.577 -167.225,93.438 ccw(c-169.021,91.642) -168.4,94.105 ; v1(-133.663,87.261) -133.379,86.977 ccw(c-131.583,88.773) -131.583,86.233 -123.734,86.233 ccw(c-123.734,88.773) -121.938,86.977 -120.276,88.639 cw(c-118.746,87.109) -118.746,89.273 -111.682,89.273 cw(c-111.682,87.716) v1(-110.581,88.817) ; v1(-91.186,91.948) -90.931,92.203 -90.407,92.203 -89.731,91.528 -89.731,91.498 -89.701,91.498 U301.29@-89.552,91.349
  Bottom Layer w0.254: v1(-158.206,89.833) ccw(c-156.605,89.833) -157.737,88.701 -150.552,81.516 ccw(c-148.756,83.312) -148.756,80.772 -140.515,80.772 ccw(c-140.515,82.857) -138.43,82.857 -138.43,84.721 cw(c-135.89,84.721) -138.256,85.645 cw(c-135.89,84.721) -136.814,87.087 cw(c-135.89,84.721) -135.89,87.261 v1(-133.663,87.261) ; v1(-110.581,88.817) -108.169,91.229 cw(c-106.373,89.433) -107.133,91.856 cw(c-106.373,89.433) -106.373,91.973 -91.484,91.973 -91.479,91.978 -91.449,91.948 v1(-91.186,91.948)
NetC306_2: C306.2 F301.1 Q301.3 | length 3.6
  Component Side w0.5: Q301.3@-154.883,86.995 F301.1@-153.242,86.995 cw(c-153.092,87.145) -153.304,87.145 C306.2@-153.304,88.9
NetC309_2: C309.2 Q302.1 R305.1 | length 2.8
  Component Side w0.254: C309.2@-105.918,86.883 -105.62,86.703 -103.518,86.703 Q302.1@-103.145,86.675
NetCON301_A5: CON301.A5 R301.1 | length 4.5
  Component Side w0.254: R301.1@-147.511,104.922 ccw(c-147.914,105.325) -147.494,104.94 ccw(c-147.914,105.325) -147.345,105.325 -147.345,106.909 cw(c-146.685,106.909) v1(-146.685,107.569)
  Bottom Layer w0.254: v1(-146.685,107.569) -146.685,107.663 -146.507,107.841 CON301.A5@-146.507,108.92
NetCON301_B5: CON301.B5 R302.1 | length 4.2
  Component Side w0.254: R302.1@-144.415,104.721 R302.1@-144.399,104.736 ; R302.1@-144.16,104.868 ccw(c-145.729,106.437) -143.51,106.437 v1(-143.51,107.696)
  Bottom Layer w0.254: v1(-143.51,107.696) -143.507,107.699 CON301.B5@-143.507,108.92
NetD201_1: D201.1 S201.1 | length 14.9
  Component Side w0.254: D201.1@123.824,90.635 124.456,91.266 ccw(c122.66,93.062) 125.2,93.062 S201.1@125.2,104.203
  Bottom Layer w0.6: S201.1@125.2,104.203 S201.1@125.2,105.092
NetD202_1: D202.1 S202.1 S202_1.2 | length 26.6
  Component Side w0.254: S202.1@86.678,97.472 cw(c86.678,97.409) 86.741,97.409 D202.1@86.741,90.635
  Bottom Layer w0.254: S202.1@86.678,97.472 ccw(c86.678,97.916) 87.122,97.916 87.122,100.012 cw(c89.662,100.012) 89.662,102.552 S202_1.2@99.061,102.552
  Bottom Layer w0.6: S202.1@81.068,96.583 S202.1@81.068,97.472 S202.1@81.068,98.361 ; S202_1.2@104.67,101.663 S202_1.2@104.67,102.552 S202_1.2@104.67,103.441
NetD203_1: D203.1 S203.1 S203_1.1 | length 44.2
  Component Side w0.254: S203_1.1@80.011,102.552 ccw(c80.011,102.044) 79.502,102.044 79.502,99.049 cw(c76.962,99.049) 76.969,96.509 ; D203.1@84.201,90.635 70.168,90.635 cw(c70.168,93.175) 67.628,93.175 S203.1@67.628,97.472 68.707,96.393 72.537,96.393 cw(c73.978,94.932) 75.291,96.509 76.45,96.509 ; 76.45,96.509 cw(c76.453,96.182) 76.453,96.509 76.969,96.509 ; 76.45,96.509 76.962,96.509 ccw(c76.962,99.049) 76.969,96.509
  Bottom Layer w0.6: S203.1@62.018,96.583 S203.1@62.018,97.472 S203.1@62.018,98.361 ; S203_1.1@85.62,101.663 S203_1.1@85.62,102.552 S203_1.1@85.62,103.441
NetD204_1: D204.1 S204.1 S204_1.1 | length 13.7
  Component Side w0.254: S204.1@42.968,96.583 cw(c42.762,96.377) 43.053,96.377 D204.1@43.053,93.472
  Bottom Layer w0.254: S204.1@48.578,97.472 ccw(c48.578,97.895) 49.001,97.895 S204_1.1@49.001,104.203
  Bottom Layer w0.6: S204.1@42.968,96.583 S204.1@42.968,97.472 S204.1@42.968,98.361 ; S204_1.1@49.001,104.203 S204_1.1@49.001,105.092 S204_1.1@49.001,105.981
NetD205_1: D205.1 S205.2 S205_1.2 | length 18.9
  Component Side w0.254: S205.2@36.725,94.043 39.402,94.043 cw(c39.402,92.472) D205.1@40.513,93.583
  Bottom Layer w0.254: S205.2@36.725,94.932 38.735,94.932 ccw(c38.735,97.472) 41.275,97.472 41.275,101.918 cw(c41.91,101.918) S205_1.2@41.91,102.552
  Bottom Layer w0.6: S205.2@36.725,94.043 S205.2@36.725,94.932 S205.2@36.725,95.821 ; S205_1.2@47.52,101.663 S205_1.2@47.52,102.552 S205_1.2@47.52,103.441
NetD206_1: D206.1 S206.2 | length 6.6
  Component Side w0.254: D206.1@17,99.647 17,102.552 S206.2@17.085,102.552 S206.2@18.045,102.552 S206.2@18.945,102.552
  Bottom Layer w0.6: S206.2@18.945,101.663 S206.2@18.945,102.552 S206.2@18.945,103.441
NetD207_1: D207.1 S207.2 | length 3.9
  Component Side w0.254: S207.2@-0.105,101.663 -0.105,99.752 ccw(c-0.001,99.752) D207.1@-0.001,99.647
  Bottom Layer w0.6: S207.2@-0.105,101.663 S207.2@-0.105,102.552 S207.2@-0.105,103.441
NetD208_1: D208.1 S208.2 | length 3.9
  Component Side w0.254: S208.2@-19.155,101.663 -19.155,99.752 ccw(c-19.051,99.752) D208.1@-19.051,99.647
  Bottom Layer w0.6: S208.2@-19.155,101.663 S208.2@-19.155,102.552 S208.2@-19.155,103.441
NetD209_1: D209.1 S209.1 S209_1.1 | length 37
  Component Side w0.254: S209_1.1@-38.205,101.663 cw(c-38.205,101.559) -38.101,101.559 D209.1@-38.101,99.647
  Bottom Layer w0.254: S209.1@-61.808,96.583 -61.808,94.107 ccw(c-59.268,94.107) -59.268,91.567 -46.355,91.567 ccw(c-46.355,92.71) -45.212,92.71 -45.212,96.437 cw(c-43.478,96.437) -44.704,97.663 -44.558,97.809 ccw(c-46.355,99.605) -43.815,99.605 S209_1.1@-43.815,102.552
  Bottom Layer w0.6: S209.1@-61.808,96.583 S209.1@-61.808,97.472 S209.1@-61.808,98.361 ; S209_1.1@-38.205,101.464 -38.205,102.353 S209_1.1@-38.205,103.242
NetD210_1: D210.1 S210.2 S210_1.1 | length 23.3
  Component Side w0.254: D210.1@-64.008,99.647 ccw(c-64.008,99.778) -63.877,99.778 S210.2@-63.877,102.552
  Bottom Layer w0.254: S210_1.1@-80.01,97.472 -79.248,98.235 -79.248,101.042 cw(c-77.293,101.042) -79.126,101.722 cw(c-77.293,101.042) -77.973,102.875 cw(c-77.293,101.042) -77.293,102.997 -68.073,102.997 S210.2@-67.627,102.552
  Bottom Layer w0.6: S210_1.1@-85.62,96.583 S210_1.1@-85.62,97.472 S210_1.1@-85.62,98.361 ; S210.2@-62.018,101.663 S210.2@-62.018,102.552 S210.2@-62.018,103.441
NetD211_1: D211.1 S211.1 S211_1.1 | length 53.8
  Component Side w0.254: D211.1@-125.476,98.135 -125.476,99.723 cw(c-124.224,99.723) -124.224,100.975 -123.868,100.975 ccw(c-123.868,101.615) -123.228,101.615 -123.228,102.108 cw(c-121.821,102.108) -121.821,103.515 -113.39,103.515 ccw(c-112.078,105.092) -110.032,104.927 ccw(c-112.078,105.092) -110.026,105.039 cw(c-108.978,104.927) -108.978,105.981 S211.1@-98.637,105.981 ; S211.1@-94.861,105.092 ccw(c-94.862,105.346) -94.61,105.311 cw(c-93.029,105.092) S211.1@-91.674,105.939 ; S211.1@-93.027,105.092 -90.991,105.092 cw(c-90.991,102.813) -88.713,102.813 ccw(c-86.677,102.552) -88.721,102.742 ccw(c-86.677,102.552) -87.1,100.544 S211_1.1@-87.1,95.821 ; S211.1@-91.673,105.936 S211.1@-91.674,105.937
  Bottom Layer w0.6: S211.1@-98.637,104.203 S211.1@-98.637,105.092 S211.1@-98.637,105.981 ; S211_1.1@-87.1,94.043 S211_1.1@-87.1,94.932 S211_1.1@-87.1,95.821
NetD212_1: D212.1 S212.1 S212_1.1 | length 15.6
  Component Side w0.254: D212.1@-127.889,98.135 ccw(c-126.337,98.135) -126.337,96.584 S212_1.1@-123.72,96.583
  Bottom Layer w0.254: S212_1.1@-118.11,97.472 ccw(c-118.11,97.895) -117.687,97.895 S212.1@-117.687,104.203
  Bottom Layer w0.6: S212_1.1@-123.72,96.583 S212_1.1@-123.72,97.472 S212_1.1@-123.72,98.361 ; S212.1@-117.687,104.203 S212.1@-117.687,105.092 S212.1@-117.687,105.981
NetD213_1: D213.1 S213.2 | length 6.6
  Component Side w0.254: D213.1@-130.302,98.139 -130.302,101.79 cw(c-129.54,101.79) S213.2@-129.54,102.552
  Bottom Layer w0.6: S213.2@-123.93,101.663 S213.2@-123.93,102.552 S213.2@-123.93,103.441
NetD214_1: D214.1 S214.2 | length 10.7
  Component Side w0.254: D214.1@-165.188,99.647 -165.188,102.552 cw(c-162.648,102.552) -162.648,105.092 S214.2@-161.481,105.092 S214.2@-159.702,105.092
  Bottom Layer w0.6: S214.2@-165.312,104.203 S214.2@-165.312,105.092
NetD215_1: D215.1 S215.2 | length 4.6
  Component Side w0.254: D215.1@-168.188,99.647 ccw(c-168.188,101.043) -166.793,101.043 S215.2@-166.793,101.663
  Bottom Layer w0.6: S215.2@-166.793,101.663 S215.2@-166.793,102.552 S215.2@-166.793,103.441
NetD216_1: D216.1 S216.2 | length 3.9
  Component Side w0.254: S216.2@-185.843,101.663 cw(c-185.843,101.558) -185.737,101.558 D216.1@-185.737,99.647
  Bottom Layer w0.6: S216.2@-185.843,101.663 S216.2@-185.843,102.552 S216.2@-185.843,103.441
NetD217_1: D217.1 S217.1 | length 7.1
  Component Side w0.254: D217.1@123.824,75.835 ccw(c123.824,77.21) 125.2,77.21 S217.1@125.2,80.39
  Bottom Layer w0.6: S217.1@125.2,80.39 S217.1@125.2,81.279 S217.1@125.2,82.168
NetD218_1: D218.1 S218.2 | length 6.8
  Component Side w0.254: D218.1@104.774,75.835 105.406,76.466 ccw(c103.61,78.262) 106.15,78.262 S218.2@106.15,80.39
  Bottom Layer w0.6: S218.2@106.15,80.39 S218.2@106.15,81.279 S218.2@106.15,82.168
NetD219_1: D219.1 S219.2 | length 6.8
  Component Side w0.254: D219.1@85.724,75.835 86.356,76.466 ccw(c84.56,78.262) 87.1,78.262 S219.2@87.1,80.39
  Bottom Layer w0.6: S219.2@87.1,80.39 S219.2@87.1,81.279 S219.2@87.1,82.168
NetD220_1: D220.1 S220.2 | length 6.8
  Component Side w0.254: D220.1@66.674,75.835 67.306,76.466 ccw(c65.51,78.262) 68.05,78.262 S220.2@68.05,80.39
  Bottom Layer w0.6: S220.2@68.05,80.39 S220.2@68.05,81.279 S220.2@68.05,82.168
NetD221_1: D221.1 S221.2 | length 6.8
  Component Side w0.254: D221.1@47.624,75.835 48.256,76.466 ccw(c46.46,78.262) 49,78.262 S221.2@49,80.39
  Bottom Layer w0.6: S221.2@49,80.39 S221.2@49,81.279 S221.2@49,82.168
NetD222_1: D222.1 S222.2 | length 6.8
  Component Side w0.254: D222.1@28.574,75.835 29.206,76.466 ccw(c27.41,78.262) 29.95,78.262 S222.2@29.95,80.39
  Bottom Layer w0.6: S222.2@29.95,80.39 S222.2@29.95,81.279 S222.2@29.95,82.168
NetD223_1: D223.1 S223.2 | length 6.8
  Component Side w0.254: D223.1@9.524,75.835 10.156,76.466 ccw(c8.36,78.262) 10.9,78.262 S223.2@10.9,80.39
  Bottom Layer w0.6: S223.2@10.9,80.39 S223.2@10.9,81.279 S223.2@10.9,82.168
NetD224_1: D224.1 S224.2 | length 6.8
  Component Side w0.254: D224.1@-9.526,75.835 -8.894,76.466 ccw(c-10.69,78.262) -8.15,78.262 S224.2@-8.15,80.39
  Bottom Layer w0.6: S224.2@-8.15,80.39 S224.2@-8.15,81.279 S224.2@-8.15,82.168
NetD225_1: D225.1 S225.2 | length 6.8
  Component Side w0.254: D225.1@-28.576,75.835 -27.944,76.466 ccw(c-29.74,78.262) -27.2,78.262 S225.2@-27.2,80.39
  Bottom Layer w0.6: S225.2@-27.2,80.39 S225.2@-27.2,81.279 S225.2@-27.2,82.168
NetD226_1: D226.1 S226.2 | length 7.1
  Component Side w0.254: D226.1@-47.626,75.835 ccw(c-47.626,77.21) -46.25,77.21 S226.2@-46.25,80.39
  Bottom Layer w0.6: S226.2@-46.25,80.39 S226.2@-46.25,81.279 S226.2@-46.25,82.168
NetD227_1: D227.1 S227.2 | length 6.8
  Component Side w0.254: D227.1@-66.676,75.835 -66.044,76.466 ccw(c-67.84,78.262) -65.3,78.262 S227.2@-65.3,80.39
  Bottom Layer w0.6: S227.2@-65.3,80.39 S227.2@-65.3,81.279 S227.2@-65.3,82.168
NetD228_1: D228.1 S228.2 | length 9.1
  Component Side w0.254: D228.1@-85.726,75.835 -84.275,75.835 ccw(c-84.275,76.635) -83.475,76.635 -83.475,81.255 S228.2@-83.45,81.279
  Bottom Layer w0.6: S228.2@-84.35,80.39 S228.2@-84.35,81.279 S228.2@-84.35,82.168
NetD229_1: D229.1 S229.2 | length 13.9
  Component Side w0.254: S229.2@-103.4,80.39 -103.4,71.798 ccw(c-100.86,71.798) -102.657,70.002 D229.1@-101.6,68.945
  Bottom Layer w0.6: S229.2@-103.4,80.39 S229.2@-103.4,81.279 S229.2@-103.4,82.168
NetD230_1: D230.1 S230.2 | length 4.5
  Component Side w0.254: S230.2@-106.15,70.23 cw(c-106.15,67.807) -104.437,69.521 D230.1@-103.861,68.945
  Bottom Layer w0.6: S230.2@-106.15,70.23 S230.2@-106.15,71.119 S230.2@-106.15,72.008
NetD231_1: D231.1 S231.2 | length 3.9
  Component Side w0.254: S231.2@-147.743,77.85 -147.743,75.94 ccw(c-147.637,75.94) D231.1@-147.637,75.835
  Bottom Layer w0.6: S231.2@-147.743,77.85 S231.2@-147.743,78.739 S231.2@-147.743,79.628
NetD232_1: D232.1 S232.2 | length 3.9
  Component Side w0.254: S232.2@-166.793,77.85 -166.688,77.85 D232.1@-166.688,75.835
  Bottom Layer w0.6: S232.2@-166.793,77.85 S232.2@-166.793,78.739 S232.2@-166.793,79.628
NetD233_1: D233.1 S233.2 | length 3.9
  Component Side w0.254: S233.2@-185.843,77.85 -185.843,75.94 ccw(c-185.737,75.94) D233.1@-185.737,75.835
  Bottom Layer w0.6: S233.2@-185.843,77.85 S233.2@-185.843,78.739 S233.2@-185.843,79.628
NetD234_1: D234.1 S234.2 | length 16.6
  Component Side w0.254: D234.1@113,56.785 cw(c113,56.755) 113.03,56.755 v1@113.03,55.753
  Bottom Layer w0.254: v1(113.066,55.67) 113.066,60.578 cw(c115.606,60.578) 115.606,63.118 S234.2@120.437,63.118
  Bottom Layer w0.6: S234.2@120.437,61.34 S234.2@120.437,62.229 S234.2@120.437,63.118
NetD235_1: D235.1 S235.2 | length 6.8
  Component Side w0.254: D235.1@95.249,56.785 95.881,57.416 ccw(c94.085,59.212) 96.625,59.212 S235.2@96.625,61.34
  Bottom Layer w0.6: S235.2@96.625,61.34 S235.2@96.625,62.229 S235.2@96.625,63.118